# Altium PCB AUV4.5-1 Lights Control Board.PcbDoc (part 1 of 2) (continued)
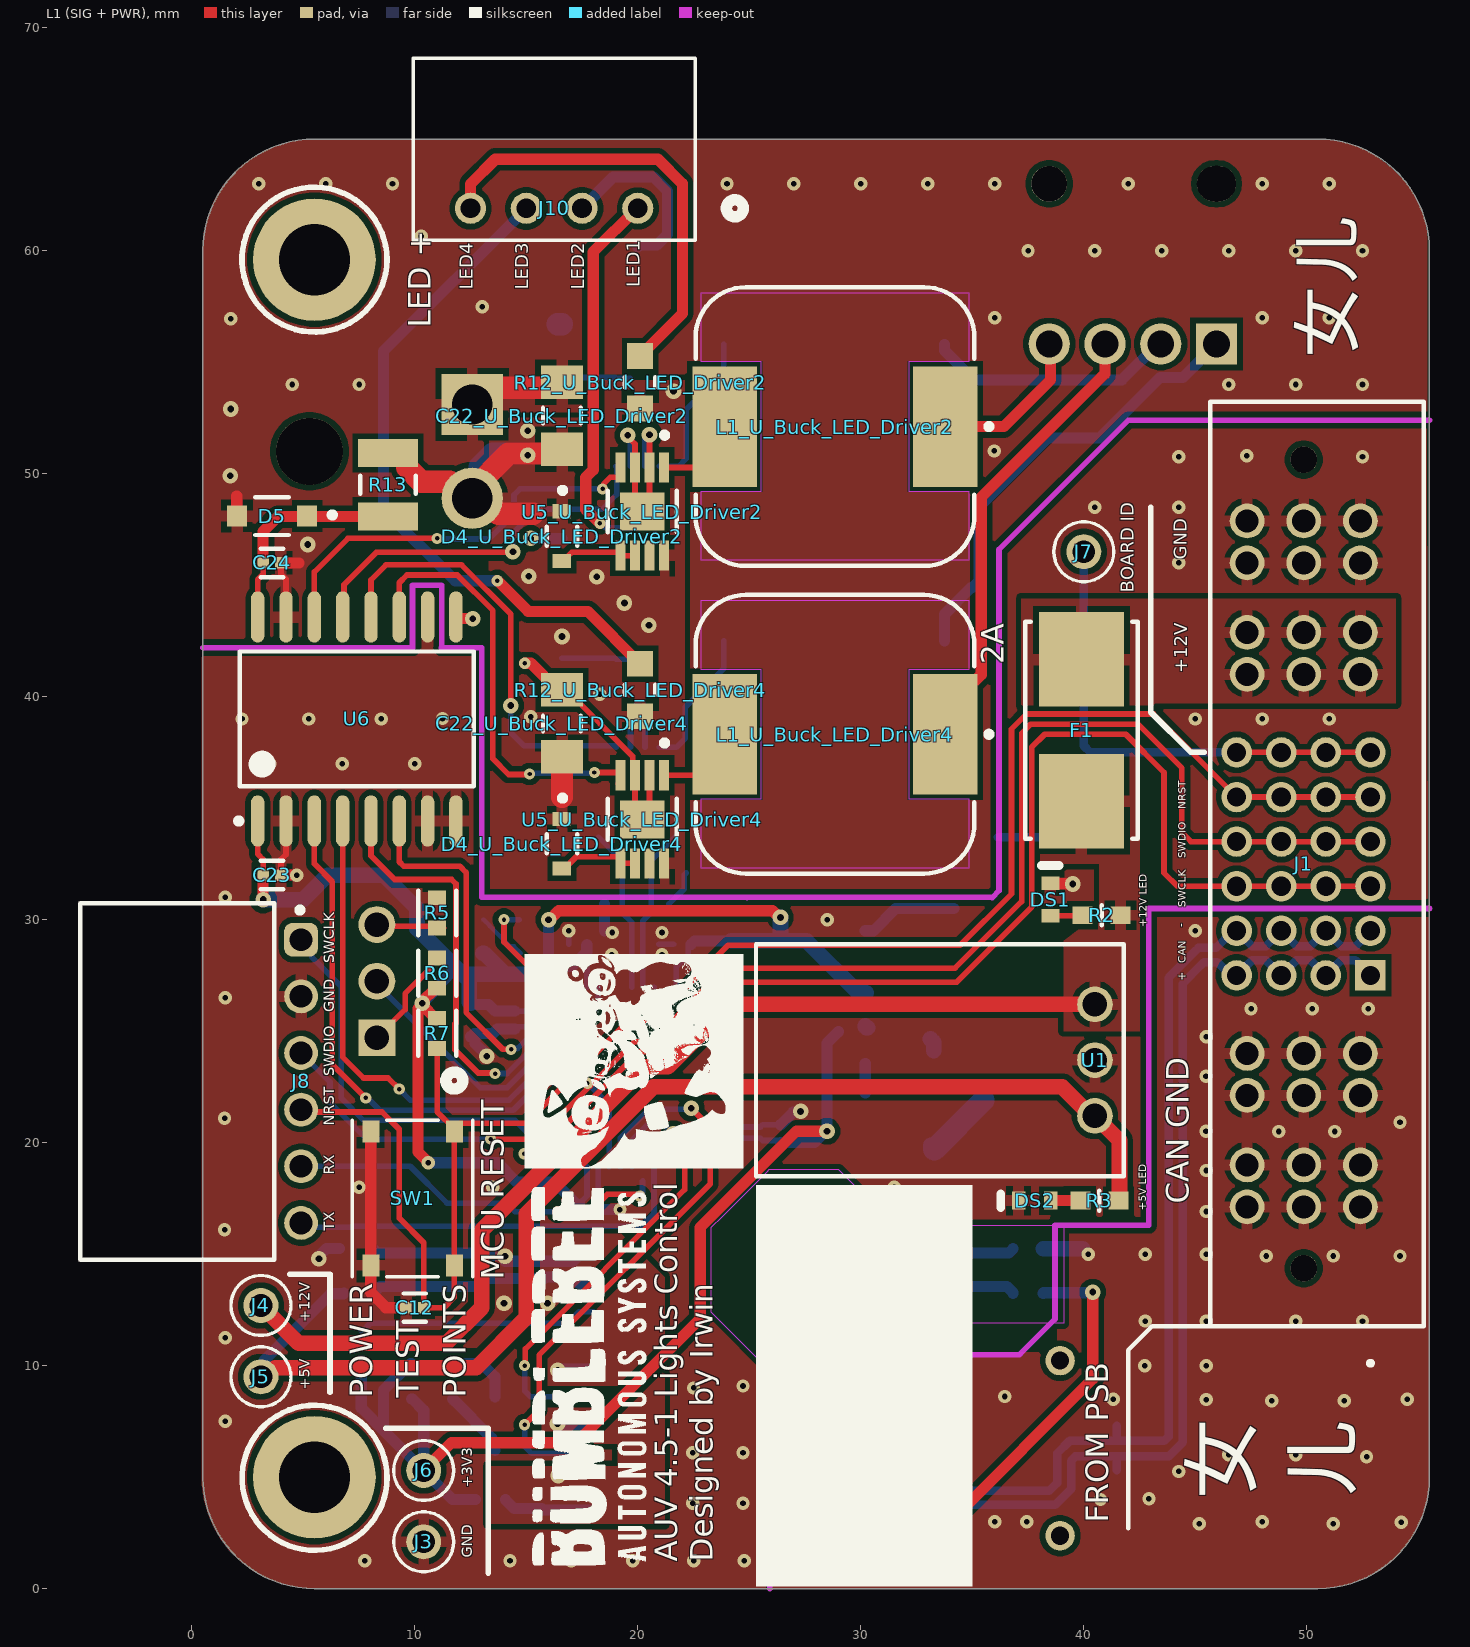
[diagram p0: L1 (SIG + PWR) view]
## Part data (continued)
C10 C11: library part CMP-1034-00890-3, "CAP CER 20PF 50V 5% NP0 0402", Capacitance="20 pF", Manufacturer=Kemet, Manufacturer Part Number=C0402C200J5GACTU, Package=C0402-BB, Temperature="-55°C to +125°C", Temperature Characteristic=C0G, Temperature Coefficient=15%, Temperature Range High=+125°C, Temperature Range Low=-55°C, Tolerance=0.05, Voltage Rating="50 V", Automotive=No, Category=Cap, ComponentLink2Description=Datasheet, ComponentLink2URL=https://content.kemet.com/datasheets/KEM_C1002_X7R_SMD.pdf, Device Class L1="Passive Components", Device Class L2=Capacitors, Device Class L3="Ceramic Capacitors", Digikey Description="CAP CER 20PF 50V 5% NP0 0402", Height=0.55mm, Ipc Land Pattern Name=CAPC10050X50, Lead Free=Yes, Material=Ceramic, Mouser Description="Multilayer Ceramic Capacitors MLCC - SMD/SMT 50volts 20pF C0G 5%", Octopart=https://octopart.com/c0402c200j5gactu-kemet-9143900, RoHS=TRUE
C15 C16 C21: library part CMP-1035-02797-2, "CAP CER 10UF 6.3V X5R 0603", Capacitance=10uF, Case Code (Imperial)=0603, Case Code (Metric)=1608, Dielectric=X5R, Max Operating Temperature=85°C, Min Operating Temperature=-55°C, Package Quantity=4000, Resistor Type=Ceramic, Tolerance=20%, Voltage Rating=6.3V, Case/Package=0603, Construction=Flat, Depth=0.8mm, Dissipation Factor=10%, Halogen Free="Halogen Free", Height=0.8mm, Lead Free="Lead Free", Length=1.6mm, Mount="Surface Mount", Number of Pins=2, Packaging="Tape and Reel", Radiation Hardening=No, REACH SVHC="No SVHC", RoHS Compliant=Yes, Series=CC, Termination=SMD/SMT, Thickness=0.039inch, Voltage Rating (DC)=6.3V, Width=0.031inch
C18 C19: library part CMP-13271-000387-1, "Cap Ceramic 10nF 50V X7R ±10% SMD 0402 +125°C Paper T/R", Capacitance=10nF, Case Code (Imperial)=0402, Case Code (Metric)=1005, Dielectric=X7R, Max Operating Temperature=125°C, Min Operating Temperature=-55°C, Package Quantity=1, Tolerance=10%, Voltage=50V, Case/Package=0402, Contact Plating=Tin, Depth=0.5mm, Height=0.5mm, Lead Free="Lead Free", Length=1mm, Material=Ceramic, Mount="Surface Mount", Packaging="Tape and Reel", Radiation Hardening=No, Thickness=0.022inch, Voltage Rating=50V, Voltage Rating (DC)=50V, Width=0.02inch
C22_U_Buck_LED_Driver1 C22_U_Buck_LED_Driver2 C22_U_Buck_LED_Driver3 C22_U_Buck_LED_Driver4: library part CMP-1037-04202-2, "CAP, Ceramic, 0.1 uF, +/- 10%, 50 V, -55 to 125 degC, 1206 (3216 Metric), RoHS, Tape and Reel", Capacitance=0.1µF, Capacitance Tolerance=±10%, Capacitor Case Style=1206[3216Metric], Dielectric Characteristic=X7R, Manufacturer=Kemet, Operating Temperature Max=125degC, Operating Temperature Min=-55degC, Package Description="2-Leads SMD, Body 3.2 x 1.6 mm", Package Reference=1206-2, Voltage Rating=50V, Datasheet URL=https://datasheet.ciiva.com/6125/1725438-6125494.pdf, Datasheet Version=Jul-13, Manufacturer URL=http://www.kemet.com/, Packaging=Tape&Reel, Product Range=KEMET-CSeries, SVHC=ToBeAdvised
D1: library part CMP-241-000006-1, "5mA 25mcd Colorless transparent lens Positive Stick 390nm~447nm Purple 120° 75mW 2.9V~3.5V 0603 LED Indication -..."
D2: library part CMP-00011-1, "Led, Green, 570 Nm, 2 V, 30 Ma, 40 Mcd Rohs Compliant: Yes", Case Code (Imperial)=0603, Case Code (Metric)=1608, Color=Green, Forward Current=20mA, Forward Voltage=2V, Lens Color=Colorless, Manufacturer Part No.=150060VS75000, Max Operating Temperature=85°C, Min Operating Temperature=-40°C, Package Quantity=4000, Power Rating=72mW, Reverse Voltage (DC)=5V, Case/Package=0603, Dominant Wavelength=570nm, Height=0.8mm, Illumination Color=Green, Length=1.6mm, Lens Size=0.7mm, Lens Style=Rectangular,Flat, Lens Transparency=Clear, Luminous Intensity=40mcd, Mounting Technology="Surface Mount", Packaging="Cut Tape", Pins=2, RoHS Compliant=Yes, Series=WL-SMCW, Test Current=20mA, Viewing Angle=140°, Weight=0.000882oz, Width=0.8mm
D3: library part CMP-00012-1, "Led, Blue, 470 Nm, 3.2 V, 30 Ma, 145 Mcd Rohs Compliant: Yes", Case Code (Imperial)=0603, Case Code (Metric)=1608, Color=Blue, Forward Current=30mA, Forward Voltage=3.2V, Lens Color=Colorless, Manufacturer Part No.=150060BS75000, Max Operating Temperature=85°C, Min Operating Temperature=-40°C, Package Quantity=1, Test Current=20mA, Case/Package=0603, Dominant Wavelength=470nm, Height=0.8mm, Length=1.6mm, Lens Size=0.7mm, Lens Style=Clear,Flat,Rectangular, Lens Transparency=Clear, Luminous Intensity=145mcd, Mounting Technology="Surface Mount", Packaging="Cut Tape", Reach SVHC Compliant=Unknown, RoHS Compliant=Yes, Series=WL-SMCW, Viewing Angle=140°, Wavelength=470nm, Width=0.8mm
D4_U_Buck_LED_Driver1 D4_U_Buck_LED_Driver2 D4_U_Buck_LED_Driver3 D4_U_Buck_LED_Driver4: library part CMP-1055-00464-2, "40V 600mV@1A 1A SOD-323 Schottky Barrier Diodes (SBD) ROHS", Package=477-02, Category=Diode, Height=1.1mm, Standoff Height=0mm
D5: library part CMP-2000-05976-2, "DIODE ZENER 5.1V 500MW SOD123", Forward Current=10mA, Manufacturer="Diodes Incorporated", Manufacturer Part Number=BZT52C5V1-7-F, Max Junction Temp=+150°C, Max Reverse Leakage Current=2uA, Max Zener Voltage=5.4V, Nom Zener Voltage=5.1V, Package=SOD123, Power Dissipation=370mW, Temperature="-65°C to +150°C", Temperature Range Low=-65°C, Automotive=No, Automotive Grade=NA, Category=Diode, ComponentLink2Description=Datasheet, ComponentLink2URL=https://www.diodes.com/assets/Datasheets/ds18004.pdf, Device Class L1="Discrete Semiconductors", Device Class L2=Diodes, Device Class L3="Zener Diodes", Digikey Description="DIODE ZENER 5.1V 500MW SOD123", Footprint Url=https://www.diodes.com/assets/Package-Files/SOD123.pdf, Height=1.45mm, Lead Free=Yes, Mouser Description="Zener Diodes 5.1V 500mW", Octopart=https://octopart.com/bzt52c5v1-7-f-diodes+inc.-326718, RoHS=TRUE, Standoff Height=0mm, Temperature Range High=+150°C, Zener Impedance=60Ω
DS1: library part CMP-1666-00027-1, "LED, RED, 2.1 V, -40 to 100 degC, 2-Pin SMD (0603), RoHS, Tape and Reel", Capacitance="12 pF", Case Code (Imperial)=0603, Case Code (Metric)=1608, Max Operating Temperature=125degC, Min Operating Temperature=-55degC, Package Quantity=4000, Resistance="100000000000 Ohm", Tolerance=5%, Type (Capacitors)=C0G, Voltage Rating="50 V", Case/Package=0603, ComponentLink1Description="Manufacturer URL", ComponentLink1URL=http://www.vishay.com/, ComponentLink2Description=Datasheet, ComponentLink2URL=http://www.vishay.com/docs/83173/tlmb1100.pdf, DatasheetVersion="Rev. 2.7, 03/2016", Height="0.8 mm", Length="1.6 mm", Mount="Surface Mount", PackageDescription="2-Pin Surface Mount Device, Body 1.6 x 0.8 mm", PackageReference=TLMX1100, Packaging="Tape and Reel", Pins=2, Radiation Hardening=No, REACH SVHC="No SVHC", RoHSCompliant=True, Voltage Rating (DC)="50 V", Width="0.8 mm"
DS2: library part CMP-1666-00029-1, "Orange LED, 20 mA, 2.1 V, -40 to 100 degC, 2-Pin SMD (0603), RoHS, Tape and Reel", Capacitance="-323 f", Forward Current="150 mA", Forward Voltage="1 V", Max Operating Temperature="150 degC", Min Operating Temperature="-55 degC", Package Quantity=3000, Peak Reverse Current="5 uA", ComponentLink1Description="Manufacturer URL", ComponentLink1URL=http://www.vishay.com/, ComponentLink2Description=Datasheet, ComponentLink2URL=http://download.siliconexpert.com/pdfs/2016/8/7/12/43/26/667/vsh_/manual/379263299541529tlmb1100.pdf, DatasheetVersion="Rev. 2.7, 03/2016", Height="1 mm", Length="1.8 mm", Mount="Surface Mount", PackageDescription="2-Pin Surface Mount Device, Body 1.6 x 0.8 mm", PackageReference=0603, Packaging="Tape and Reel", Pins=2, Radiation Hardening=No, REACH SVHC="No SVHC", Recovery Time="4 ns", RoHSCompliant=true, Width="1.35 mm"
DS3: library part CMP-2000-07255-1, "Low Current LED, 40 mW, -40 to 100 degC, 2-Pin SMD, RoHS, Tape and Reel", Forward Current If=2mA, Forward Voltage=1.8V, LED Colour=Yellow, Manufacturer=Vishay, Package Description="2-Pin Surface Mount Device, Body 1.6 x 0.8 mm", Package Reference=TLMY1000, Automotive Qualification Standard=AEC-Q100, Bulb Size=1.6mmx0.8mm, Datasheet URL=http://www.vishay.com/docs/83172/tlmo1000.pdf, Datasheet Version="Rev. 2.0, 09/2013", LED Mounting=SMD, Lens Shape=Rectangular, Luminous Intensity=7.5mcd, Manufacturer URL=http://www.vishay.com/, Mounting Technology=SurfaceMount, MSL=MSL2-1year, Packaging=CutTape, Product Range=-, SVHC=ToBeAdvised, Viewing Angle=80°, Wavelength Typ=595nm
F1: library part CMP-08605-000033-1, "FUSE BOARD MNT 2A 125VAC/VDC SMD", Fuse Current=2A, Manufacturer=Littelfuse, Max Fuse Ac Voltage=125V, Package=0154, Resistance=0.0625Ω, Temperature="-55°C to +125°C", Temperature Range High=+125°C, Temperature Range Low=-55°C, Automotive=No, Category=Fuse, ComponentLink2Description=Datasheet, ComponentLink2URL=https://www.littelfuse.com/~/media/electronics/datasheets/fuses/littelfuse_fuse_154_154t_154l_154tl_datasheet.pdf.pdf, Device Class L1="Circuit Protection", Device Class L2=Fuses, Device Class L3=unset, Digikey Description="FUSE BOARD MNT 2A 125VAC/VDC SMD", Fuse Blow Speed=Fast, Fuse I2T=8.2A2Sec, Height=3.81mm, Lead Free=Yes, Manufacturer Part Number=0154002.DR, Max Fuse Dc Voltage=125V, Mouser Description="154 Series Fast-Acting 125 V 2 A 9.73 x 5.03 mm OMNI-BLOK® SMT Fuse & Holder", Octopart=https://octopart.com/0154002.dr-littelfuse-565858, RoHS=TRUE, Voltage Rating=125V
FB1 FB2 FB3 FB4 FB5: library part CMP-147-000047-1, "Ferrite Chip, 1 Function(s), 0.8A, 2 Pin(s)"
J1: library part CMP-434-000000-5, Package=None, Availability=Unavailable, Component Type=Standard, Design Item ID=MPTC-02-24-02-01-XX-X-RA-LC, MF=Samtec, MP=MPTC-02-24-02-01-XX-X-RA-LC, Pin Count=48, Price=None, Source=MPTC-02-24-02-01-XX-X-RA-LC.SchLib
J2: library part CMP-062-000000-4, "Connector", Manufacturer_Name=SAMTEC, Mouser Part Number=200-T2M10201LDSMWT, Datasheet Link=https://suddendocs.samtec.com/prints/t2m-1xx-xx-x-d-xx-xx-x-xx-mkt.pdf?_gl=1*1h8jfhh*_ga*ODgwNjE2ODg0LjE2NDkxNjE4OTQ.*_ga_3KFNZC07WW*MTY4MDE1NTk5OS4xMjYuMC4xNjgwMTU2MDg2LjYwLjAuMA.., Design Item ID=T2M-102-01-L-D-SM-WT, Height=6.68mm, Manufacturer_Part_Number=T2M-102-01-L-D-SM-WT, Mouser Price/Stock=https://www.mouser.co.uk/ProductDetail/Samtec/T2M-102-01-L-D-SM-WT?qs=PB6%2FjmICvI1RhUpc5sXmcA%3D%3D, Source=SamacSys.SchLib
J3 J4 J5 J6 J7: library part CMP-2000-05181-2, "PC TEST POINT MINIATURE BLACK", Color=Black, Flammability Rating="UL94 V-0", Package Quantity=100, Body Material=Bronze, Contact Material=Bronze, Contact Plating=Silver, Diameter=2.54mm, Height=0.3inch, Hole Diameter=1.6mm, Housing Color=Black, Inside Diameter=1.27mm, Insulation=Insulated, Insulation Material=Nylon, Lead Free="Lead Free", Length=7.62mm, Material=Nylon, Mount="Through Hole", Number of Contacts=1, Number of Ports=1, Orientation=Straight, Outside Diameter=2.54mm, Packaging=Bulk, Plating=Silver, REACH SVHC="No SVHC", RoHS Compliant=Yes, Series=THM, Termination="Through Hole"
J8: library part CMP-141-000185-1, "WR-PHD Socket Header, THT, Angled, pitch 2.54mm, 1 Row, 6P", Contact Resistance=20mOhm, Manufacturer="Wurth Elektronik", Operating Temperature Max=125°C, Operating Temperature Min=-40°C, Rated Current=3A, Withstanding Voltage=500V, Working Voltage=250V, Category="Board-to-Board Connectors", Component Type=Standard, ComponentLink1Description="Website Link", ComponentLink1URL=https://www.we-online.com/redexpert/article/613006143121?ad, ComponentLink2Description="Datasheet Link", ComponentLink2URL=https://www.we-online.com/redexpert/spec/613006143121?ad, Design Item ID=613006143121, Gender="Socket Header", Manufacturer Part Number=613006143121, Match Code=WR-PHD, Mount="Through Hole", Number of Pins=6, Number of Rows=1, Orientation=Angled, Packaging=Tray, Pin Count=6, Pitch=2.54mm, Source=WR-PHD.SchLib
J9: library part CMP-369-000000-1, "Body Features: Primary Product Color Green", Manufacturer_Name="TE Connectivity", Mouser Part Number=571-826926-3, Design Item ID=826926-3, Geometry.Height=9.5mm, Manufacturer_Part_Number=826926-3, Mouser Price/Stock=https://www.mouser.co.uk/ProductDetail/TE-Connectivity/826926-3?qs=wMzmFFBcbXTx9otzu9%252BXNQ%3D%3D, Source=826926-3.SchLib
J10: library part CMP-490-000000-1, "No Description Available", Mfr_Name="Molex Connector Corporation", Design Item ID=22057045, RefDes=RefDes, Source=22057045.SchLib, Type=Type
J11: library part CMP-00257-84716133-1, "105313-1104 Conn Wire to Board HDR 4Power POS 2.5mm Solder RA Side Entry Thru-Hole Tray", Current Rating=8A, Manufacturer Lifecycle Status=ACTIVE, Max Operating Temperature=105°C, Min Operating Temperature=-40°C, Voltage Rating=250V, Contact Material=Tin, Contact Plating=Tin, Country of Origin=CN, Height=6.84mm, Lifecycle Status=Production, NexarPartId=84716133, Number of Circuits=4, Number of Contacts=4, Number of Rows=1, Orientation="Right Angle", Plating=Tin, RoHS=Compliant, Schedule B="8536694040, 8536694040"
J12: library part CMP-04776-000216-1, "CONN HEADER R/A 2POS 4.2MM"
L1_U_Buck_LED_Driver1 L1_U_Buck_LED_Driver2 L1_U_Buck_LED_Driver3 L1_U_Buck_LED_Driver4: library part CMP-0227-00179-2, "4.2A 33uH ±20% 5.5A 1210  Power Inductors ROHS", Ambient Temperature Range High=85°C, Ambient Temperature Range Low=-40°C, Current Rating=4.2A, DC Resistance (DCR)=37mΩ, Inductance=33µH, Inductance Tolerance=20%, Max Operating Temperature=125°C, Self Resonant Frequency=8.5MHz, Height=10mm, Length=12mm, Min Operating Temperature=-40°C, NexarPartId=22866921, Number of Pins=2, Packaging="Cut Tape (CT)", Resistance=37mΩ, RoHS=Compliant, Width=12mm
R1: library part CMP-2100-03667-1, Case Code (Imperial)=0603, Case Code (Metric)=1608, Manufacturer=Yageo, Max Operating Temperature=155degC, Min Operating Temperature=-55degC, Package Description="2-Pin Surface Mount Device, Body 1.6 x 0.8 mm", Package Quantity=5000, Power Rating=100mW, Resistance=0mOhm, Temperature Coefficient=200ppm/degreesC, Tolerance=5%, Voltage Rating=50V, Case/Package=0603, Composition=ThickFilm, Contact Plating=Tin, Datasheet URL=http://www.yageo.com/NewPortal/yageodocoutput?fileName=/pdf/R-Chip/PYu-RC_Group_51_RoHS_L_5.pdf, Datasheet Version="Rev. 5, 10/2016", Depth=0.8mm, Height=0.45mm, Lead Free=LeadFree, Length=1.6mm, Manufacturer URL=http://www.yageo.com/, Military Standard=Not, Number of Pins=2, Package Reference=0603, Packaging=TapeandReel, Radiation Hardening=No, REACH SVHC=NoSVHC, RoHSCompliant=true, Termination=SMD/SMT, Voltage Rating (DC)=50V, Width=0.8mm
R2 R3 R4 R8 R9 R10: library part CMP-1012-00567-3, Case Code (Imperial)=0603, Max Operating Temperature=155°C, Max Power Dissipation=100mW, Min Operating Temperature=-55°C, Resistance=3.3kΩ, Temperature Coefficient=100ppm/°C, Tolerance=1%, Voltage Rating=50V, Case Code (Metric)=0603, Case/Package=0603, Composition="Thick Film", Depth=800µm, Features="Moisture Resistant", Height=450µm, Lead Free="Lead Free", Length=1.6mm, Military Standard=Not, Mount="Surface Mount", NexarPartId=40011875, Number of Pins=2, Number of Terminations=2, Packaging="Tape & Reel", Power Rating=100mW, REACH SVHC="No SVHC", RoHS=Compliant, Schedule B="8533210045, 8533210045", Termination=SMD/SMT, Voltage Rating (AC)=50V, Voltage Rating (DC)=50V, Width=800µm
R5 R6 R7 R11: library part CMP-2100-03664-2, "RES 10K OHM 1% 1/10W 0603", Case Code (Imperial)=0603, Case Code (Metric)=1608, Max Operating Temperature=155°C, Max Power Dissipation=100mW, Min Operating Temperature=-55°C, Resistance=10kR, Resistance Tolerance=1%, Resistor Type="Thick Film", Temperature Coefficient=100ppm/°C, Voltage Rating=75V, Voltage Rating (DC)=50V, Case/Package=0603, Construction=Rectangular, Depth=0.8mm, Features="Moisture Resistant", Height=0.45mm, Lead Free="Lead Free", Lead Pitch=0.3mm, Length=1.6mm, Military Standard=Not, Number of Pins=2, Number of Terminations=2, Packaging="Tape and Reel", Power Rating=100mW, RoHS Compliant=Yes, Series=RC, Size Code=0603, Termination=SMD/SMT, Tolerance=1%, Weight=7.1E-05oz, Width=0.8mm
R12_U_Buck_LED_Driver1 R12_U_Buck_LED_Driver2 R12_U_Buck_LED_Driver3 R12_U_Buck_LED_Driver4: library part CMP-05422-000098-1, "250mW 100mΩ ±200ppm/℃ ±1% 0805 Current Sense Resistors / Shunt Resistors ROHS", Case Code (Imperial)=0805, Case Code (Metric)=2012, Max Operating Temperature=155°C, Max Power Dissipation=500mW, Min Operating Temperature=-55°C, Resistance=100mR, Resistor Type="Thick Film", Temperature Coefficient=150ppm/°C, Tolerance=1%, Case/Package=0805, Features="Automotive AEC-Q200", Height=0.028inch, Length=0.079inch, Number of Terminations=2, Packaging="Cut Tape", Width=0.049inch
R13: library part CMP-2005-01957-1, "500mW Thick Film Resistors 200V ±100ppm/℃ ±1% 1kΩ 1210 Chip Resistor - Surface Mount ROHS", Manufacturer=Panasonic, Part Number=ERJ-14NF1001U
SW1: library part CMP-209-000001-3, "No Without 50mA 5.1mm 100,000 Times 160gf 12V 5.1mm 1.5mm Round Button Brick nogging SPST SMD Tactile Switches ROHS", JLCPCB Part #=C318884, Manufacturer_Name="XKB Connection", Mfr_Name="XKB Connectivity", Design Item ID=TS-1187A-B-A-B, Manufacturer_Part_Number=TS-1187A-B-A-B, RefDes=RefDes, Source=TS-1187A-B-A-B.SchLib, Type=Type
U1: library part CMP-030-000004-2, "(RA) 24vin, 5Vout, 1.5amp, SIP, Horizontal", Case/Package=SIP, Current - Output 1=1.5A, Max Input Voltage (DC)=36V, Max Operating Temperature=85°C, Max Output Power=7.5W, Max Power Dissipation=8W, Min Input Voltage=7V, Min Operating Temperature=-40°C, Nominal Output Voltage=5V, Nominal Supply Voltage=24V, Output Voltage=1.5V, Depth=10.4mm, Efficiency=90.5%, Features=SCP, Height=16.5mm, Lead Free="Lead Free", Length=10.4mm, Max Output current=1.5A, Max Supply Voltage=36V, Min Input Voltage (DC)=7V, Mounting Technology="Through Hole", Number of Outputs=1, Output Current=1.5A, Output Power=7.5W, Packaging=Tray, Pins=3, RoHS Compliant=Yes, Series="Okami™ OKI-78SR", Voltage - Output 1=5V, Weight=2g, Width=7.62mm
U2: library part CMP-00085-2, "Fixed Positive LDO Regulator, 3.3V, 1.5V Dropout, BIPolar, PSSO2", Case/Package=TO-252, Dropout Voltage1-Max=1.5V, Dropout Voltage1-Nom=1.3V, Input Voltage Absolute-Max=30V, Min Input Voltage=4.9V, Operating Temperature, TJ-Max=125°C, Operating Temperature, TJ-Min=-40°C, Output Current1-Max=1.5A, Output Voltage1-Max=3.366V, Output Voltage1-Min=3.234V, Output Voltage1-Nom=3.3V, Package Body Material=Plastic, Package Equivalence Code=SMSIP3H,.38,90TB, Package Shape=Rectangular, Package Style="SMALL OUTLINEMeter", Peak Reflow Temperature (Cel)=260°C, Time @ Peak Reflow Temperature-Max (s)=30s, Voltage Tolerance-Max=2%, Adjustability=FIXED, Channels=1, Height - Seated (Max)=2.63mm, JESD-30 Code=R-PSSO-G2, JESD-609 Code=e3, Length=6.5mm, Line Regulation-Max=0.006%, Load Regulation-Max=0.025%, Max Supply Voltage=30V, Moisture Sensitivity Level=1, Number of Outputs=1, Packaging="Tape and Reel", Pins=2, Qualification Status="Not Qualified", Reach SVHC Compliant=No, Regulator Type="FIXED POSITIVE SINGLE OUTPUT LDO REGULATOR", RoHS Compliant=Yes, Surface Mount=Yes, Technology=BIPOLAR, Terminal Finish=Tin, Terminal Form="Gull Wing", Terminal Pitch=2.28mm, Terminal Position=SINGLE, Width=6.1mm
U3: library part CMP-0237-00215-3, "ARM Cortex-M3 32-bit MCU, 64 KB Flash, 20 KB Internal RAM, 37 I/Os, 48-pin LQFP, -40 to 85 degC, Tray", I/Os (High Current)=37, Operating Frequency(F) (Processor speed) (MHz)=72, Supply Voltage(Vcc) min (V)=2, A/D Converter="2x12-bit (10 Channel)", ComponentLink1Description="Manufacturer URL", ComponentLink1URL=http://www.st.com/web/en/home.html, ComponentLink2Description=Datasheet, ComponentLink2URL=http://www.st.com/st-web-ui/static/active/en/resource/technical/document/datasheet/CD00161566.pdf, ComponentLink3Description="Package Specification", ComponentLink3URL=http://www.st.com/st-web-ui/static/active/en/resource/technical/document/datasheet/DM00058181.pdf, Core="ARM Cortex-M3", DatasheetVersion="Rev. 16", FLASH Size (Prog) (kB)=64, Internal RAM Size (kB)=20, Mounting Technology="Surface Mount", PackageDescription="48-Pin Low Profile Quad Flat Package, 7 x 7 mm Body, 0.5 mm Pitch", PackageReference=LQFP48, PackageVersion="Rev. 6, 06/2013", Packing=Tray, PartNumber=STM32F103C8T6
U4: library part CMP-194-000000-2, "Texas Instruments", Mouser Part Number=595-ISOW1044BDFMR, Datasheet Link=https://www.ti.com/lit/ds/symlink/isow1044.pdf?ts=1645295421849&ref_url=https%253A%252F%252Fwww.google.com%252F, Design Item ID=ISOW1044BDFMR, Geometry.Height=3.55mm, Manufacturer_Name="Texas Instruments", Manufacturer_Part_Number=ISOW1044BDFMR, Mouser Price/Stock=https://www.mouser.co.uk/ProductDetail/Texas-Instruments/ISOW1044BDFMR?qs=Li%252BoUPsLEnsRP1xV2fQwnw%3D%3D, Source=ISOW1044BDFMR.SchLib
U5_U_Buck_LED_Driver1 U5_U_Buck_LED_Driver2 U5_U_Buck_LED_Driver3 U5_U_Buck_LED_Driver4: library part CMP-12753-000002-1, "IC LED DRVR 8MSOP", Ambient Temperature Range High=+85°C, Ambient Temperature Range Low=-40°C, Manufacturer="Diodes Inc.", Max Junction Temp=+125°C, Max Supply Voltage=40V, Min Supply Voltage=4.5V, Nominal Supply Current=0.55mA, Output Current=1.5A, Package=MSOP-8EP, Switching Frequency=1MHz, Temperature="-40°C to +125°C", Automotive=No, Category=IC, ComponentLink2Description=Datasheet, ComponentLink2URL=https://www.diodes.com/assets/Datasheets/AL8860.pdf, Device Class L1="Integrated Circuits (ICs)", Device Class L2="Power Management ICs", Device Class L3="LED Drivers", Digikey Description="IC LED DRVR 8MSOP", Dimming=Analog,PWM, Footprint Url=https://www.diodes.com/assets/Package-Files/MSOP-8EP.pdf, Height=1.1mm, Ipc Land Pattern Name=SOP65P490X110-8, Lead Free=Yes, Manufacturer Part Number=AL8860MP-13, Mouser Description="AL8860 Series 40 V 1.5 A 1 MHz Surface Mount Buck LED Driver - MSOP-8EP", Number of Outputs=1, Octopart=https://octopart.com/al8860mp-13-diodes+inc.-75809872, RoHS=TRUE, Standoff Height=0.05mm, Switching Topology=Buck, Temperature Range High=+125°C, Temperature Range Low=-40°C
U6: library part CMP-0534-00591-1, "Quad Channel Digital Isolator, 2.5 KV rms Insulation Rating, 1 Mbps Data Rate, 100 ns Delay, Industrial, 16-pin SOIC (RW-16), Tube", Insulation Rating (kVrms)=2.5, Manufacturer="Analog Devices", Max Operating Temp (degreesC)=105, Code_JEDEC=MS-013-AA, ComponentLink1Description="Manufacturer URL", ComponentLink1URL=http://www.analog.com/en/index.html, ComponentLink2Description=Datasheet, ComponentLink2URL=http://www.analog.com/static/imported-files/data_sheets/ADUM1410_1411_1412.pdf, ComponentLink3Description="Package Specification", ComponentLink3URL=http://www.analog.com/static/imported-files/packages/PKG_PDF/SOIC_WIDE%20%28RW%29/RW_16.pdf, ComponentLink4Description="URL Link1", ComponentLink4URL="Product URL:http://www.analog.com/en/interface-isolation/digital-isolators/adum1410/products/product.html", DatasheetVersion="Rev. I", Max Data Rate=1Mbps, Mounting Technology="Surface Mount", PackageDescription="16-Pin Standard Small Outline Package, Body 10.3 x 7.5 mm, Pitch 1.27 mm", PackageReference=RW-16, PackageVersion="032707-B, 03/2007", PartNumber=ADUM1410ARWZ
VR1: library part CMP-147-000049-2, "100 kOhms 0.25W, 1/4W J Lead Surface Mount Trimmer Potentiometer Cermet 1.0 Turn Top Adjustment", Package="DFN-8 Bourns", Availability="In Stock", Component Type=Standard, Design Item ID=3314J-1-104E, MF=Bourns, MP=3314J-1-104E, Pin Count=3, Price=None, Purchase-URL=https://pricing.snapeda.com/search/part/3314J-1-104E/?ref=eda, SnapEDA_Link=https://www.snapeda.com/parts/3314J-1-104E/Bourns/view-part/504236/?ref=snap, Source=3314J-1-104E.SchLib
XTAL1: library part CMP-361-000000-4, "8MHz Surface mount crystal oscillator 20pF ±10ppm ±20ppm SMD5032 Crystals ROHS", Mfr_Name=YXC, Design Item ID=X50328MSB2GI, Source=X50328MSB2GI.SchLib, Type=Crystals

## Free pads (board coordinates)
  round 5.5 hole 3.2: 1(5.5,5) 1(5.5,59.6)

## Via types
v1: diameter 0.6, hole 0.25, L1 (SIG + PWR) to L4 (SIG + PWR), tented both sides, 123 vias
v2: diameter 0.7, hole 0.3, L1 (SIG + PWR) to L4 (SIG + PWR), tented both sides, 36 vias
v3: diameter 0.5, hole 0.2, L1 (SIG + PWR) to L4 (SIG + PWR), tented both sides, 21 vias

## Nets (pads, with @x,y where several pads share a name; then routed paths per layer and width w, separated by ;. In a path a pad name is that pad's centre, name@x,y a point inside that pad or via, vN(x,y) a via of type N, cw(c..) or ccw(c..) an arc to the next point about the centre after c; other vN are vias at no path point)
+3V3: C2.2 C3.2 C4.2 C5.2 C6.2 C7.2 C8.2 C9.2 C23.2 FB1.1 J6.1 R4.1 R6.2 R7.1 R8.1 R9.1 R10.1 R11.1 U2.4 U3.1 U3.9 U3.24 U3.36 U3.48 U6.1 | length 132.6
  L1 (SIG + PWR) w0.254: U6.1@2.955,34.425 2.955,32.945 3.2,32.7 C23.2@3.2,32
  L1 (SIG + PWR) w0.5: v2(3.2,30.9) C23.2@3.2,32 ; J6.1@10.4,5.3 11.646,6.546 17.246,6.546 22.8,12.1 22.8,16.2 27.114,20.514 v2(28.486,20.514) ; v1(10.6,19.1) 10.6,19.127 10.144,19.583 10.144,26.009 10.338,26.203 v2(10.338,26.257) ; R7.1@11,25.577 10.923,25.577 10.338,26.162 v2(10.338,26.257) ; R6.2@11,26.923 10.923,26.923 10.3,26.3 10.338,26.262 v2(10.338,26.257) ; v2(16,30) 16.054,30 16.454,30.4 26.046,30.4 26.346,30.1 v2(26.4,30.1)
  L4 (SIG + PWR) w0.254: C7.2@14.5,25.9 15.249,25.9 15.449,25.7 U3.48@16.45,25.7 ; C6.2@17.5,17 17.5,17.387 17.725,17.612 U3.36@17.725,18.925 ; U3.1@17.725,26.975 17.725,28.554 ; U3.9@21.725,26.975 21.727,26.977 21.727,27.871 22.267,28.411 22.267,28.767 C8.2@22.4,28.9 ; U3.24@24.5,20.2 25.5,20.2 25.6,20.1 26.3,20.1 C5.2@26.4,20
  L4 (SIG + PWR) w0.5: R11.1@7.6,10.223 7.6,8.1 8.6,7.1 ; R10.1@9.773,10.023 R10.1@9.85,10.1 9.8,10.1 8.6,8.9 8.6,7.1 ; R9.1@9.85,8.5 9.9,8.5 10.4,8 J6.1@10.4,5.3 ; v2(10.338,26.257) 11.076,26.995 11.076,27.076 11.85,27.85 ; v1(10.6,19.1) 13.7,19.1 14.562,18.238 16.262,18.238 C6.2@17.5,17 ; C3.2@12.5,26.25 12.55,26.2 13.3,26.2 13.6,25.9 C7.2@14.5,25.9 ; FB1.1@12.725,4 11.7,4 J6.1@10.4,5.3 ; v2(16,30) 16,27.9 17.056,27.9 17.71,28.554 17.71,28.86 C4.2@17.725,28.875 ; C8.2@22.4,28.9 22.55,29.05 C9.2@24.2,29.05 ; C5.2@26.4,20 26.41,20 27.918,20 28.432,20.514 v2(28.486,20.514) 28.486,24.461 29,24.975 ; 8.6,7.1 J6.1@10.4,5.3
  L4 (SIG + PWR) w0.7: v2(3.2,30.9) 5,30.9 6.1,32 8.6,32 10.1,30.5 10.1,29.6 11.85,27.85 12.45,27.25 ; C3.2@12.5,26.25 12.45,26.3 12.45,27.25 ; R8.1@13.05,28.5 13.1,28.5 14.05,27.55 ; 16,27.9 15.65,27.55 14.05,27.55 ; C9.2@24.2,29.05 26.4,29.05 ; v2(26.4,30.1) 26.4,29.05 ; R4.1@30.2,25.25 30.2,25.2 30.25,25.15 R4.1@30.3,25.15 ; C2.2@30.25,26.73 29.89,26.73 27.57,29.05 26.4,29.05 ; U2.4@33.125,24.65 33.275,24.5 U2.4@33.275,24.125 ; U2.4@33.129,19.871 U2.4@33.3,19.7 ; 12.45,27.25 12.45,27.55 14.05,27.55
  L4 (SIG + PWR) w1: U2.4@33.3,19.7 U2.4@35.5,21.9